# KiCad board slime88.kicad_pcb (continued)
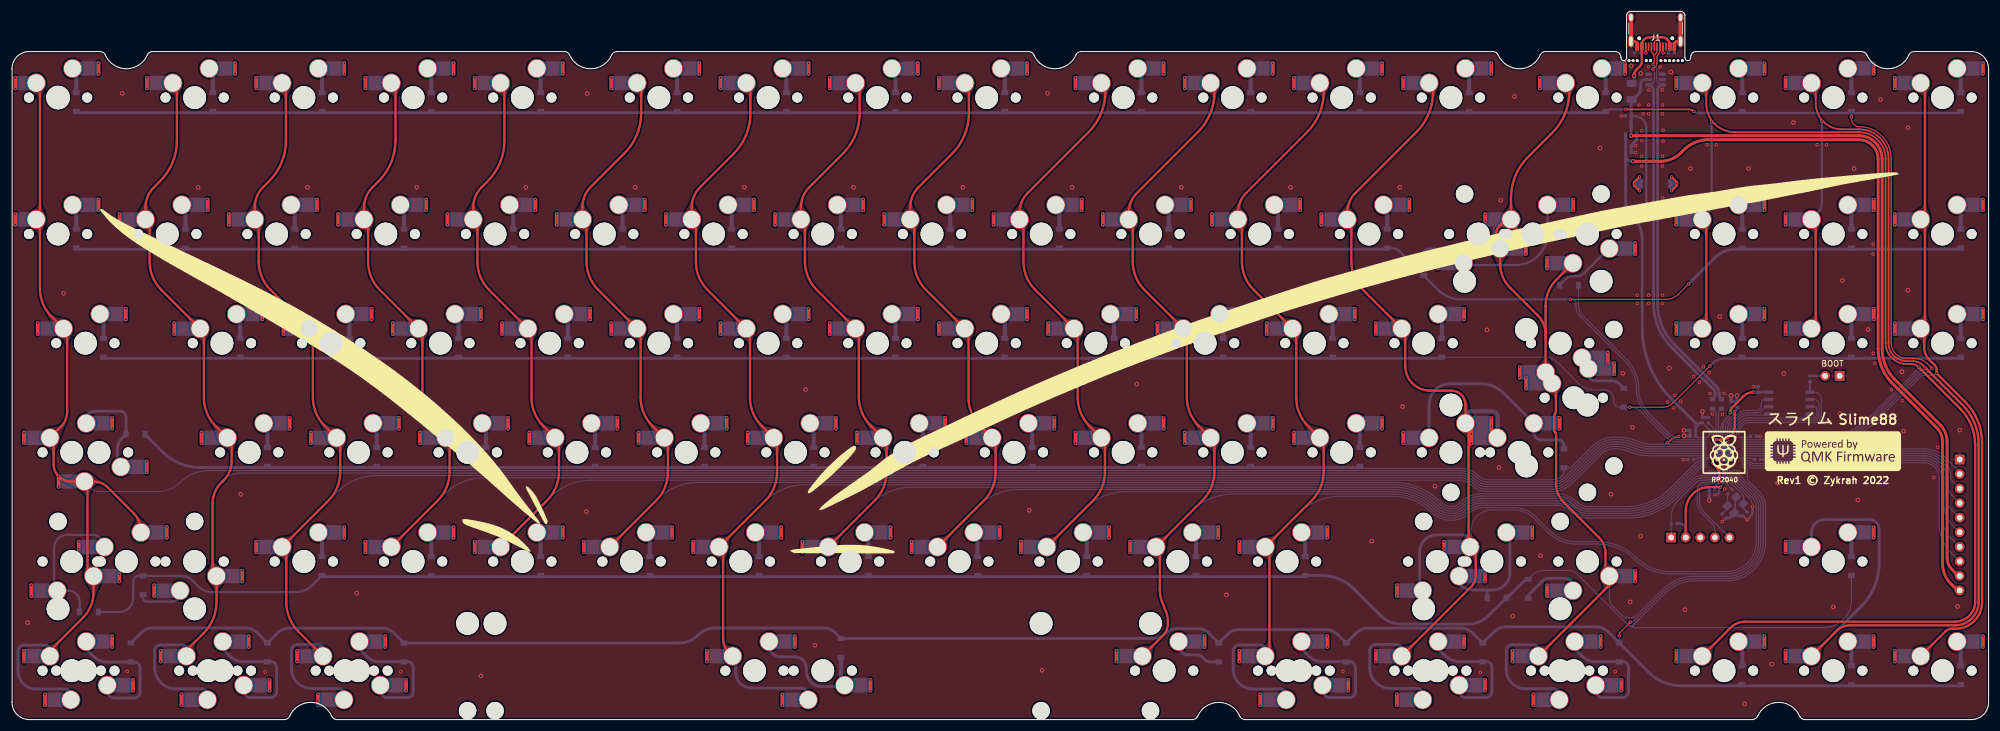
[diagram p0: board, top side]
## Routing (per net, layer and track width the routed paths; a pad name or vN(x,y) marks a point on that pad's centre or on a via; arc(x,y) is an arc through that point) (continued)
Net-(D88-Pad2): length 28.1
  Top w0.6: v1(280.67,5.05) v1(280.67,6.93) ; v1(277.02,14.55) v1(277.02,12.66)
  Bottom w0.5: 272.5,13.67 272.5,12.34 273.77,11.07 arc(274.83,10.36) 276.09,10.11 280.88,10.11 arc(281.59,9.82) 281.88,9.11 281.88,4.83 arc(281.59,4.12) 280.88,3.83 277.34,3.83 arc(276.95,3.91) 276.63,4.12 276.15,4.6 276.15,6.05
Net-(D89-Pad2): length 6.4
  Top w0.6: v1(305.6,14.55) v1(305.6,12.66)
  Bottom w0.7: 301.08,13.54 301.71,12.91 301.71,9.32
Net-(D90-Pad2): length 6.4
  Top w0.6: v1(324.65,14.55) v1(324.65,12.66)
  Bottom w0.7: 320.13,13.54 320.76,12.91 320.76,9.32
Net-(D91-Pad2): length 6.4
  Top w0.6: v1(343.69,14.55) v1(343.69,12.66)
  Bottom w0.7: 339.81,9.32 339.81,12.91 339.18,13.54

## Copper pours and planes (outline as drawn; the poured copper is in the pictures)
+1V1 on Bottom: 297.25,49.27 297.26,48.06 296.75,48.06 296.75,45.2 296.43,45.2 296.44,49.27
+3V3 on Top: 291.65,33.46 291.65,33.26 291.62,33.1 291.58,32.96 291.53,32.85 291.47,32.74 291.41,32.64 291.33,32.54 291.25,32.42 291.17,32.29 291.09,32.14 291.85,31.34 292.62,32.14 292.54,32.29 292.46,32.42 292.38,32.54 292.3,32.64 292.24,32.74 292.18,32.85 292.13,32.96 292.09,33.1 292.06,33.26 292.05,33.46
+3V3 on Top: 338.09,23.34 338.24,23.18 338.36,23.04 338.45,22.91 338.52,22.78 338.58,22.67 338.63,22.55 338.69,22.43 338.76,22.3 338.84,22.16 338.95,22.01 340.01,22.33 339.65,23.37 339.5,23.37 339.24,23.36 339.12,23.36 339.01,23.37 338.91,23.39 338.8,23.43 338.69,23.49 338.57,23.57 338.45,23.69
+3V3 on Bottom: 296.56,50.77 296.57,49.27 297.66,49.27 297.75,49.31 297.81,49.39 297.85,49.71 297.91,50.7 298.1,51.52 298.61,52.15 298.41,51.25 298.44,49.69 298.6,49.45 298.71,49.41 301.33,49.41 301.38,49.36 301.6,49.31 301.6,49.14 301.37,48.98 301.33,48.84 301.33,46.03 301.36,45.9 301.61,45.72 301.61,45.53 301.36,45.36 301.33,45.22 301.33,43.84 298.74,43.84 298.61,43.81 298.44,43.57 298.25,43.57 298.06,43.81 297.94,43.84 295.75,43.84 295.75,45.24 295.72,45.37 295.47,45.53 295.47,45.72 295.72,45.88 295.75,46.02 295.74,49.09 293.31,49.09 293.31,52.06 295.31,52.06
+3V3 on Bottom: 291.47,33.66 291.59,33.5 291.66,33.35 291.68,33.2 291.66,33.06 291.6,32.93 291.53,32.79 291.43,32.65 291.33,32.51 291.22,32.36 291.12,32.19 291.82,31.35 292.49,32.33 292.36,32.5 292.28,32.65 292.22,32.8 292.19,32.95 292.16,33.1 292.13,33.25 292.09,33.4 292.02,33.56 291.92,33.74 291.77,33.93
+5V on Top: 338.14,25.97 338.28,25.81 338.4,25.68 338.48,25.55 338.55,25.43 338.6,25.31 338.64,25.19 338.69,25.07 338.74,24.94 338.81,24.8 338.89,24.64 339.98,24.82 339.75,25.9 339.59,25.92 339.45,25.93 339.32,25.94 339.2,25.95 339.09,25.97 338.98,26 338.87,26.04 338.75,26.11 338.63,26.2 338.49,26.32
+5V on Bottom: 283.24,109.09 283.15,109.01 283.06,108.94 282.99,108.89 282.91,108.86 282.84,108.83 282.76,108.82 282.68,108.81 282.59,108.81 282.39,108.8 282.14,108.03 282.92,107.81 283,107.92 283.06,108.02 283.11,108.1 283.21,108.27 283.26,108.35 283.32,108.43 283.39,108.52 283.48,108.63 283.59,108.74
+5V on Bottom: 282.59,106.93 282.59,107.07 282.6,107.18 282.62,107.28 282.65,107.36 282.68,107.44 282.72,107.51 282.76,107.58 282.87,107.74 282.94,107.84 282.45,108.49 281.82,107.98 281.86,107.86 281.9,107.76 281.98,107.58 282.01,107.5 282.03,107.41 282.06,107.32 282.07,107.21 282.08,107.08 282.09,106.93
GND on Top: 292.19,118.06 346.16,118.06 346.16,-1 -1.5,-1 -1.5,118.06 281.07,118.06 281.07,123.62 292.19,123.62
GND on Bottom: 292.19,118.06 346.16,118.06 346.16,-1 -1.5,-1 -1.5,118.06 281.07,118.06 281.07,123.62 292.19,123.62 ; 5 cut-outs
GND on Bottom: 300.62,37.66 300.63,37.78 300.65,37.89 300.68,37.97 300.71,38.04 300.76,38.11 300.81,38.16 300.87,38.22 300.94,38.28 301.02,38.35 301.09,38.42 300.75,39.12 300.07,38.76 300.09,38.62 300.12,38.51 300.15,38.41 300.19,38.32 300.22,38.24 300.25,38.15 300.28,38.06 300.3,37.95 300.32,37.82 300.32,37.66
GND on Bottom: 300.32,37.26 300.32,37.13 300.3,37.03 300.27,36.95 300.24,36.87 300.19,36.81 300.14,36.75 300.08,36.69 300.01,36.63 299.94,36.56 299.86,36.48 300.22,35.79 300.9,36.18 300.87,36.31 300.84,36.42 300.8,36.52 300.73,36.69 300.7,36.78 300.67,36.87 300.65,36.98 300.63,37.11 300.62,37.26
GND on Bottom: 299.34,34.95 299.5,34.99 299.64,35.04 299.74,35.1 299.83,35.16 299.92,35.23 300,35.29 300.08,35.36 300.17,35.41 300.28,35.46 300.41,35.49 300.49,36.32 299.72,36.19 299.7,36.08 299.69,35.98 299.67,35.88 299.65,35.79 299.63,35.71 299.59,35.63 299.54,35.57 299.47,35.51 299.37,35.47 299.26,35.44
GND on Bottom: 301.33,35.77 301.23,35.78 301.15,35.8 301.09,35.84 301.04,35.89 301,35.95 300.97,36.02 300.94,36.1 300.91,36.17 300.88,36.26 300.85,36.34 300.07,36.27 300.31,35.48 300.43,35.48 300.53,35.46 300.62,35.44 300.7,35.41 300.87,35.34 300.96,35.32 301.06,35.29 301.18,35.28 301.33,35.27
VBUS on Bottom: 282.62,112.04 282.62,111.96 282.6,111.88 282.58,111.82 282.55,111.76 282.51,111.72 282.46,111.68 282.41,111.65 282.35,111.62 282.28,111.59 282.21,111.57 282.19,110.76 283.04,110.98 283.04,111.1 283.05,111.21 283.06,111.3 283.07,111.39 283.09,111.57 283.1,111.66 283.11,111.77 283.12,111.9 283.12,112.04
(no net) on Bottom: 289.58,92.47 289.51,92.56 289.48,92.63 289.49,92.71 289.53,92.78 289.59,92.84 289.66,92.91 289.73,92.98 289.81,93.06 289.88,93.14 289.94,93.23 289.4,93.79 288.97,93.07 289.04,92.98 289.07,92.89 289.09,92.8 289.08,92.71 289.07,92.62 289.07,92.52 289.07,92.42 289.09,92.32 289.14,92.22 289.22,92.12
(no net) on Bottom: 289.15,94.68 289.14,94.55 289.13,94.43 289.12,94.34 289.09,94.25 289.07,94.17 289.03,94.1 289,94.02 288.91,93.86 288.86,93.75 289.4,93.19 289.94,93.75 289.88,93.86 289.79,94.02 289.76,94.1 289.72,94.17 289.7,94.25 289.67,94.34 289.66,94.43 289.65,94.55 289.65,94.68
(no net) on Bottom: 283.55,94.68 283.54,94.55 283.53,94.43 283.52,94.34 283.49,94.25 283.47,94.17 283.43,94.1 283.4,94.02 283.31,93.86 283.25,93.75 283.8,93.19 284.34,93.75 284.28,93.86 284.19,94.02 284.16,94.1 284.12,94.17 284.1,94.25 284.07,94.34 284.06,94.43 284.05,94.55 284.05,94.68
(no net) on Bottom: 284.05,92.3 284.05,92.44 284.06,92.55 284.07,92.65 284.1,92.73 284.12,92.81 284.16,92.89 284.19,92.96 284.28,93.13 284.34,93.23 283.8,93.79 283.25,93.23 283.31,93.13 283.4,92.96 283.43,92.89 283.47,92.81 283.49,92.73 283.52,92.65 283.53,92.55 283.54,92.44 283.55,92.3
/XTAL_O on Bottom: 299.01,38.47 299,38.33 298.98,38.22 298.95,38.12 298.91,38.04 298.86,37.97 298.81,37.9 298.75,37.83 298.69,37.75 298.63,37.66 298.57,37.54 299.11,36.98 299.65,37.54 299.59,37.66 299.52,37.75 299.46,37.83 299.41,37.9 299.35,37.97 299.3,38.04 299.26,38.12 299.23,38.22 299.21,38.33 299.21,38.47
/XTAL_O on Bottom: 298.67,36.19 298.78,36.29 298.87,36.38 298.96,36.44 299.04,36.49 299.19,36.59 299.27,36.64 299.35,36.7 299.43,36.77 299.53,36.86 299.15,37.58 298.53,37.1 298.57,37.01 298.63,36.84 298.65,36.77 298.67,36.7 298.68,36.63 298.67,36.56 298.64,36.48 298.6,36.41 298.53,36.33
/~{USB_BOOT} on Bottom: 314.46,59.77 314.66,59.76 314.82,59.74 314.96,59.7 315.08,59.65 315.18,59.59 315.28,59.52 315.39,59.45 315.5,59.37 315.63,59.29 315.78,59.2 316.58,59.97 315.78,60.73 315.63,60.65 315.5,60.57 315.39,60.49 315.28,60.42 315.18,60.35 315.08,60.29 314.96,60.24 314.82,60.2 314.66,60.18 314.46,60.17
COL0 on Top: 5.73,71.47 6.02,70.98 6.26,70.56 6.46,70.19 6.62,69.87 6.75,69.56 6.87,69.25 6.99,68.92 7.12,68.57 7.25,68.15 7.42,67.67 9.56,67.63 9.52,69.77 9.05,69.92 8.63,70.03 8.24,70.12 7.89,70.21 7.56,70.31 7.25,70.44 6.95,70.63 6.66,70.89 6.37,71.23 6.07,71.67
COL0 on Top: 7.45,46 7.47,46.43 7.52,46.79 7.61,47.1 7.71,47.37 7.82,47.61 7.93,47.85 8.04,48.1 8.14,48.38 8.21,48.7 8.24,49.09 6.27,49.92 5.51,47.92 5.76,47.73 5.99,47.56 6.21,47.42 6.41,47.29 6.59,47.15 6.74,47 6.87,46.82 6.96,46.6 7.02,46.33 7.05,46
COL0 on Top: 4.67,90.44 4.64,90.1 4.58,89.83 4.49,89.61 4.36,89.43 4.21,89.28 4.03,89.14 3.83,89.01 3.61,88.87 3.38,88.7 3.13,88.51 3.89,86.51 5.86,87.34 5.82,87.73 5.75,88.05 5.66,88.33 5.55,88.58 5.44,88.82 5.33,89.06 5.22,89.33 5.14,89.64 5.09,90 5.07,90.44
COL0 on Top: 15.96,41.3 15.59,41.51 15.29,41.69 15.04,41.86 14.82,42.03 14.63,42.18 14.43,42.33 14.23,42.49 14,42.65 13.73,42.82 13.4,43 11.8,41.56 13.33,40.05 13.62,40.21 13.87,40.39 14.1,40.57 14.31,40.75 14.51,40.91 14.72,41.04 14.94,41.12 15.18,41.14 15.45,41.08 15.77,40.95
COL0 on Top: 9.21,52.55 9.02,52.09 8.8,51.75 8.55,51.5 8.28,51.32 7.98,51.19 7.65,51.1 7.3,51.03 6.91,50.95 6.5,50.86 6.05,50.72 6.01,48.58 8.15,48.62 8.32,49.09 8.47,49.49 8.6,49.83 8.72,50.14 8.96,50.74 9.09,51.07 9.24,51.45 9.4,51.89 9.59,52.41
COL0 on Top: 9.82,65.04 9.84,65.47 9.89,65.84 9.98,66.14 10.08,66.41 10.19,66.65 10.31,66.89 10.42,67.14 10.51,67.41 10.58,67.74 10.62,68.12 8.66,68.98 7.88,66.98 8.13,66.78 8.36,66.62 8.58,66.47 8.78,66.34 8.96,66.2 9.11,66.05 9.24,65.86 9.33,65.64 9.39,65.37 9.42,65.04
COL0 on Top: 14.2,20.56 14.34,21.09 14.48,21.54 14.6,21.93 14.73,22.26 14.85,22.56 14.98,22.86 15.13,23.16 15.29,23.49 15.48,23.87 15.7,24.32 14.22,25.86 12.73,24.32 12.95,23.89 13.17,23.53 13.38,23.2 13.57,22.9 13.73,22.61 13.85,22.3 13.93,21.97 13.96,21.6 13.92,21.17 13.81,20.66
COL0 on Top: 5.07,107.91 5.09,108.34 5.14,108.71 5.22,109.01 5.33,109.28 5.44,109.52 5.55,109.76 5.66,110.01 5.75,110.29 5.82,110.61 5.86,111 3.89,111.84 3.13,109.83 3.38,109.64 3.61,109.48 3.83,109.33 4.03,109.2 4.21,109.06 4.36,108.91 4.49,108.73 4.58,108.51 4.64,108.24 4.67,107.91
COL0 on Top: 12.96,27.96 12.94,27.55 12.91,27.21 12.87,26.92 12.82,26.67 12.76,26.43 12.7,26.2 12.65,25.96 12.61,25.7 12.58,25.39 12.57,25.03 14.74,24.4 14.9,26.54 14.65,26.64 14.19,26.82 13.99,26.9 13.81,27 13.65,27.12 13.53,27.26 13.43,27.44 13.38,27.67 13.36,27.96
COL0 on Top: 8.23,13.92 7.91,13.62 7.61,13.4 7.33,13.24 7.07,13.13 6.82,13.03 6.57,12.94 6.32,12.84 6.06,12.71 5.78,12.53 5.48,12.28 6.29,10.3 8.24,11.19 8.21,11.5 8.15,11.78 8.1,12.03 8.05,12.27 8.02,12.49 8.02,12.71 8.06,12.93 8.14,13.15 8.29,13.38 8.51,13.63
COL0 on Top: 5.07,84.09 5.09,84.53 5.14,84.89 5.22,85.2 5.33,85.47 5.44,85.71 5.55,85.95 5.66,86.2 5.75,86.48 5.82,86.8 5.86,87.19 3.89,88.02 3.13,86.02 3.38,85.83 3.61,85.66 3.83,85.52 4.03,85.39 4.21,85.25 4.36,85.1 4.49,84.92 4.58,84.7 4.64,84.43 4.67,84.09
COL0 on Top: 21.31,35.6 21.51,35.32 21.61,35.08 21.64,34.84 21.61,34.62 21.53,34.41 21.41,34.18 21.28,33.95 21.14,33.71 21,33.44 20.89,33.13 22.6,31.84 23.73,33.72 23.49,34 23.27,34.22 23.08,34.41 22.89,34.58 22.72,34.74 22.53,34.9 22.34,35.08 22.13,35.29 21.89,35.54 21.62,35.86
COL0 on Top: 8.57,41.82 9,41.56 9.36,41.36 9.68,41.2 9.97,41.06 10.23,40.94 10.5,40.82 10.77,40.69 11.06,40.54 11.39,40.36 11.77,40.14 13.45,41.55 11.91,43.03 11.54,42.83 11.22,42.62 10.92,42.4 10.65,42.21 10.38,42.04 10.11,41.92 9.82,41.85 9.51,41.86 9.17,41.96 8.78,42.16
COL0 on Top: 13.36,38.33 13.38,38.76 13.43,39.11 13.52,39.41 13.62,39.67 13.74,39.9 13.87,40.13 13.99,40.37 14.1,40.64 14.2,40.96 14.27,41.34 12.37,42.33 11.45,40.39 11.68,40.17 11.91,39.99 12.32,39.68 12.5,39.54 12.65,39.37 12.78,39.18 12.87,38.96 12.93,38.67 12.96,38.33
COL0 on Bottom: 8.19,5.07 8.38,5.05 8.52,4.99 8.62,4.89 8.68,4.77 8.71,4.62 8.72,4.45 8.7,4.27 8.68,4.08 8.62,3.7 10.49,2.66 10.25,5.09 9.99,5.11 9.78,5.14 9.59,5.2 9.42,5.26 9.27,5.33 9.1,5.4 8.92,5.47 8.72,5.52 8.48,5.56 8.19,5.57
COL0 on Bottom: 4.79,12.74 4.95,12.72 5.06,12.67 5.14,12.58 5.18,12.47 5.19,12.34 5.18,12.2 5.16,12.04 5.12,11.88 5.07,11.72 5.02,11.57 6.71,10.25 6.6,12.72 6.37,12.73 6.18,12.77 6.02,12.83 5.87,12.9 5.73,12.98 5.59,13.06 5.44,13.13 5.26,13.19 5.05,13.23 4.79,13.24
COL0 on Bottom: 15.3,39.88 14.97,39.91 14.74,40.01 14.58,40.16 14.48,40.36 14.41,40.6 14.38,40.87 14.35,41.16 14.32,41.47 14.27,41.79 14.18,42.11 12.04,42.12 12.63,39.9 12.96,39.89 13.24,39.87 13.48,39.85 13.7,39.82 13.91,39.79 14.12,39.75 14.36,39.72 14.62,39.7 14.93,39.68 15.3,39.68
COL1 on Top: 35.85,21.75 35.87,22.14 35.93,22.45 36.02,22.72 36.14,22.94 36.28,23.14 36.44,23.33 36.61,23.53 36.79,23.75 36.96,24 37.13,24.32 35.65,25.86 34.16,24.32 34.33,24 34.51,23.75 34.68,23.53 34.85,23.33 35.01,23.14 35.16,22.94 35.27,22.72 35.37,22.45 35.43,22.14 35.45,21.75
COL1 on Top: 31.99,13.93 31.66,13.63 31.36,13.41 31.08,13.25 30.82,13.13 30.57,13.03 30.32,12.94 30.07,12.83 29.81,12.69 29.54,12.5 29.25,12.24 30.13,10.29 32.05,11.25 32,11.55 31.94,11.82 31.88,12.07 31.83,12.31 31.79,12.53 31.79,12.74 31.82,12.95 31.91,13.17 32.05,13.4 32.27,13.65
COL1 on Top: 34.78,28.2 34.75,27.76 34.7,27.4 34.62,27.09 34.51,26.82 34.4,26.57 34.29,26.33 34.19,26.08 34.1,25.8 34.03,25.48 34,25.09 35.98,24.28 36.71,26.3 36.47,26.49 36.23,26.64 36.02,26.78 35.81,26.91 35.63,27.05 35.48,27.2 35.35,27.38 35.26,27.6 35.2,27.87 35.17,28.2
COL1 on Top: 24.2,84.14 24.22,84.57 24.27,84.94 24.35,85.25 24.45,85.52 24.55,85.77 24.66,86.01 24.76,86.26 24.84,86.55 24.89,86.87 24.92,87.27 22.9,88 22.25,85.96 22.5,85.79 22.73,85.64 22.95,85.51 23.16,85.38 23.34,85.25 23.49,85.11 23.62,84.93 23.71,84.72 23.77,84.46 23.8,84.14
COL1 on Top: 33.66,65.05 33.68,65.49 33.73,65.85 33.81,66.16 33.92,66.43 34.03,66.67 34.14,66.91 34.25,67.16 34.34,67.44 34.4,67.77 34.44,68.15 32.46,68.97 31.72,66.96 31.96,66.77 32.2,66.61 32.42,66.47 32.62,66.34 32.8,66.2 32.95,66.05 33.08,65.87 33.17,65.65 33.23,65.38 33.26,65.05
COL1 on Top: 28.95,107.94 28.97,108.38 29.02,108.75 29.1,109.06 29.2,109.33 29.31,109.58 29.42,109.82 29.52,110.07 29.6,110.36 29.66,110.68 29.68,111.07 27.67,111.82 27,109.78 27.25,109.6 27.48,109.45 27.7,109.32 27.91,109.2 28.09,109.06 28.24,108.92 28.37,108.74 28.46,108.53 28.52,108.27 28.55,107.94
COL1 on Top: 30.32,70.4 30.58,70.11 30.77,69.84 30.89,69.59 30.96,69.35 31,69.11 31.02,68.86 31.04,68.6 31.07,68.32 31.13,68.01 31.23,67.67 33.37,67.63 33.33,69.77 32.99,69.87 32.68,69.93 32.4,69.96 32.14,69.98 31.9,70 31.66,70.04 31.41,70.12 31.16,70.24 30.9,70.42 30.61,70.68
COL1 on Top: 23.35,91.02 23.19,90.58 23.03,90.22 22.89,89.91 22.75,89.65 22.6,89.41 22.3,88.94 22.14,88.67 21.97,88.36 21.78,87.98 23.27,86.44 24.75,87.98 24.56,88.33 24.37,88.62 24.17,88.88 23.99,89.12 23.83,89.35 23.7,89.59 23.61,89.85 23.58,90.15 23.62,90.49 23.72,90.89
COL1 on Top: 34.32,52.4 34.61,51.91 34.85,51.5 35.04,51.13 35.2,50.81 35.33,50.5 35.45,50.19 35.57,49.87 35.69,49.51 35.83,49.1 35.99,48.62 38.14,48.58 38.09,50.72 37.63,50.87 37.2,50.98 36.82,51.07 36.47,51.15 36.14,51.25 35.84,51.39 35.54,51.57 35.25,51.83 34.96,52.17 34.66,52.61
COL1 on Top: 38.51,46.04 38.52,46.48 38.58,46.85 38.66,47.15 38.75,47.42 38.85,47.67 38.96,47.91 39.05,48.17 39.13,48.45 39.18,48.78 39.2,49.17 37.18,49.9 36.56,47.85 36.81,47.68 37.04,47.53 37.26,47.4 37.47,47.28 37.65,47.15 37.8,47.01 37.93,46.84 38.02,46.63 38.08,46.36 38.11,46.04
COL1 on Bottom: 28.68,12.78 28.83,12.76 28.94,12.71 29.01,12.62 29.04,12.52 29.05,12.39 29.04,12.24 29.01,12.09 28.96,11.93 28.91,11.78 28.86,11.63 30.49,10.24 30.41,12.72 30.19,12.73 30.01,12.77 29.85,12.84 29.71,12.91 29.58,13 29.45,13.08 29.3,13.16 29.13,13.22 28.92,13.27 28.68,13.28
COL1 on Bottom: 32.2,5.11 32.36,5.09 32.48,5.04 32.56,4.95 32.61,4.84 32.62,4.7 32.62,4.55 32.6,4.39 32.56,4.22 32.52,4.05 32.47,3.89 34.21,2.63 34.06,5.09 33.83,5.11 33.63,5.15 33.46,5.21 33.31,5.28 33.17,5.35 33.02,5.43 32.86,5.5 32.68,5.56 32.46,5.6 32.2,5.61
COL1 on Bottom: 34.88,28.2 34.85,27.76 34.79,27.39 34.69,27.09 34.58,26.82 34.45,26.58 34.33,26.34 34.21,26.09 34.11,25.81 34.03,25.48 34,25.09 35.98,24.28 36.71,26.3 36.46,26.49 36.21,26.65 35.98,26.79 35.77,26.92 35.57,27.05 35.4,27.19 35.27,27.37 35.16,27.59 35.1,27.86 35.08,28.2
COL2 on Top: 49.26,32.58 48.97,32.32 48.7,32.14 48.45,32.02 48.21,31.94 47.97,31.9 47.72,31.88 47.46,31.86 47.18,31.83 46.88,31.77 46.54,31.67 46.49,29.53 48.64,29.57 48.74,29.91 48.79,30.22 48.82,30.5 48.84,30.76 48.87,31.01 48.91,31.25 48.98,31.49 49.1,31.74 49.28,32.01 49.55,32.3
COL2 on Top: 42.4,91.05 42.23,90.61 42.08,90.24 41.94,89.93 41.8,89.66 41.65,89.42 41.51,89.19 41.36,88.94 41.19,88.67 41.02,88.36 40.83,87.98 42.31,86.44 43.8,87.98 43.61,88.33 43.41,88.62 43.22,88.89 43.03,89.13 42.87,89.37 42.74,89.61 42.66,89.87 42.63,90.17 42.66,90.52 42.77,90.92
COL2 on Top: 57.42,45.98 57.45,46.42 57.5,46.78 57.59,47.08 57.69,47.35 57.8,47.59 57.92,47.83 58.03,48.07 58.13,48.35 58.2,48.67 58.25,49.06 56.29,49.93 55.5,47.94 55.74,47.74 55.97,47.57 56.19,47.43 56.39,47.29 56.57,47.15 56.72,47 56.85,46.81 56.94,46.59 57,46.32 57.03,45.98
COL2 on Top: 47.95,107.92 47.98,108.36 48.03,108.72 48.11,109.03 48.21,109.3 48.33,109.54 48.44,109.78 48.54,110.04 48.63,110.32 48.7,110.64 48.73,111.03 46.74,111.83 46.02,109.81 46.26,109.62 46.5,109.47 46.72,109.33 46.92,109.2 47.1,109.06 47.25,108.91 47.38,108.74 47.47,108.52 47.53,108.25 47.56,107.92
COL2 on Top: 49.37,70.4 49.63,70.11 49.82,69.84 49.94,69.59 50.01,69.35 50.05,69.11 50.07,68.86 50.09,68.6 50.12,68.32 50.18,68.01 50.28,67.67 52.42,67.63 52.38,69.77 52.04,69.87 51.73,69.93 51.45,69.96 51.19,69.98 50.95,70 50.71,70.04 50.46,70.12 50.21,70.24 49.95,70.42 49.66,70.68
COL2 on Top: 43.2,84.12 43.23,84.55 43.28,84.92 43.36,85.23 43.46,85.5 43.57,85.74 43.69,85.98 43.79,86.24 43.87,86.52 43.94,86.84 43.96,87.23 41.97,88.01 41.27,85.99 41.51,85.81 41.75,85.65 41.96,85.51 42.17,85.38 42.35,85.25 42.5,85.1 42.63,84.93 42.72,84.71 42.78,84.44 42.81,84.12
COL2 on Top: 51.75,13.25 52.01,12.96 52.2,12.69 52.32,12.44 52.39,12.2 52.43,11.96 52.45,11.71 52.47,11.45 52.51,11.17 52.56,10.86 52.66,10.52 54.8,10.48 54.76,12.62 54.42,12.72 54.11,12.78 53.84,12.81 53.58,12.83 53.33,12.85 53.09,12.89 52.85,12.97 52.59,13.09 52.33,13.27 52.04,13.53
COL2 on Top: 48.02,26.99 48.03,27.43 48.09,27.79 48.17,28.1 48.27,28.37 48.37,28.62 48.48,28.86 48.57,29.12 48.65,29.4 48.71,29.73 48.73,30.12 46.71,30.85 46.07,28.81 46.32,28.63 46.55,28.49 46.77,28.36 46.98,28.23 47.16,28.1 47.31,27.96 47.44,27.79 47.53,27.57 47.59,27.31 47.62,26.99
COL2 on Top: 53.32,52.45 53.61,51.96 53.86,51.53 54.06,51.17 54.22,50.84 54.36,50.52 54.49,50.21 54.61,49.89 54.73,49.52 54.88,49.11 55.04,48.62 57.19,48.58 57.14,50.72 56.67,50.87 56.24,50.98 55.85,51.08 55.5,51.17 55.16,51.27 54.85,51.41 54.55,51.6 54.26,51.86 53.96,52.21 53.66,52.66
COL2 on Top: 52.66,65.03 52.68,65.46 52.73,65.82 52.82,66.13 52.92,66.39 53.03,66.63 53.15,66.87 53.26,67.12 53.36,67.39 53.44,67.72 53.49,68.1 51.53,68.98 50.73,67 50.97,66.79 51.2,66.63 51.42,66.48 51.62,66.34 51.8,66.2 51.95,66.05 52.08,65.86 52.17,65.64 52.23,65.37 52.26,65.03
COL2 on Bottom: 49.33,32.51 49.04,32.25 48.76,32.07 48.51,31.96 48.26,31.89 48.01,31.87 47.76,31.86 47.49,31.85 47.2,31.83 46.89,31.77 46.54,31.67 46.49,29.53 48.64,29.57 48.74,29.92 48.79,30.24 48.81,30.53 48.82,30.79 48.83,31.05 48.86,31.29 48.92,31.54 49.03,31.8 49.21,32.07 49.47,32.37
COL2 on Bottom: 52.57,12.82 52.71,12.8 52.82,12.75 52.88,12.67 52.91,12.56 52.92,12.43 52.89,12.29 52.86,12.14 52.81,11.98 52.75,11.83 52.69,11.69 54.28,10.24 54.22,12.71 54.01,12.73 53.84,12.78 53.69,12.85 53.56,12.93 53.43,13.02 53.31,13.11 53.17,13.19 53,13.26 52.81,13.31 52.57,13.32
COL2 on Bottom: 56.08,5.15 56.24,5.13 56.35,5.08 56.43,4.99 56.47,4.88 56.48,4.74 56.47,4.59 56.44,4.43 56.4,4.27 56.35,4.1 56.3,3.95 57.99,2.63 57.87,5.09 57.65,5.11 57.46,5.15 57.3,5.22 57.15,5.29 57.02,5.37 56.88,5.46 56.72,5.53 56.54,5.59 56.33,5.64 56.08,5.65
COL3 on Top: 68.31,32.58 68.02,32.32 67.75,32.14 67.5,32.02 67.26,31.94 67.02,31.9 66.77,31.88 66.51,31.86 66.23,31.83 65.93,31.77 65.59,31.67 65.54,29.53 67.69,29.57 67.79,29.91 67.84,30.22 67.87,30.5 67.89,30.76 67.92,31.01 67.96,31.25 68.03,31.49 68.15,31.74 68.33,32.01 68.6,32.3
COL3 on Top: 71.77,65.05 71.79,65.49 71.84,65.85 71.92,66.16 72.02,66.43 72.14,66.67 72.25,66.92 72.35,67.17 72.44,67.45 72.51,67.77 72.54,68.16 70.55,68.97 69.83,66.95 70.07,66.76 70.3,66.6 70.52,66.47 70.73,66.33 70.91,66.2 71.06,66.05 71.19,65.87 71.28,65.65 71.34,65.38 71.37,65.05
COL3 on Top: 62.28,84.12 62.31,84.57 62.36,84.93 62.44,85.24 62.54,85.51 62.65,85.76 62.76,86.01 62.86,86.26 62.94,86.54 62.99,86.87 63.01,87.26 61.01,88.01 60.34,85.97 60.59,85.79 60.82,85.64 61.04,85.51 61.25,85.38 61.43,85.25 61.58,85.1 61.71,84.93 61.8,84.72 61.86,84.45 61.89,84.12
COL3 on Top: 61.45,91 61.29,90.56 61.13,90.2 60.99,89.9 60.85,89.64 60.7,89.4 60.4,88.93 60.24,88.66 60.07,88.35 59.88,87.98 61.37,86.44 62.85,87.98 62.66,88.32 62.47,88.61 62.27,88.87 62.09,89.11 61.93,89.34 61.8,89.58 61.71,89.84 61.68,90.13 61.72,90.47 61.82,90.87
COL3 on Top: 68.42,70.4 68.68,70.11 68.87,69.84 68.99,69.59 69.06,69.35 69.1,69.11 69.12,68.86 69.14,68.6 69.17,68.32 69.23,68.01 69.33,67.67 71.47,67.63 71.43,69.77 71.09,69.87 70.78,69.93 70.5,69.96 70.24,69.98 70,70 69.76,70.04 69.51,70.12 69.26,70.24 69,70.42 68.71,70.68
COL3 on Top: 72.43,52.39 72.72,51.9 72.95,51.49 73.15,51.13 73.31,50.8 73.44,50.5 73.56,50.19 73.67,49.87 73.79,49.51 73.93,49.1 74.09,48.62 76.24,48.58 76.19,50.72 75.73,50.87 75.31,50.98 74.93,51.06 74.58,51.15 74.25,51.25 73.94,51.38 73.65,51.57 73.36,51.82 73.07,52.16 72.77,52.6
COL3 on Top: 76.5,45.99 76.52,46.43 76.57,46.79 76.66,47.1 76.76,47.36 76.87,47.6 76.99,47.84 77.09,48.09 77.19,48.37 77.26,48.69 77.3,49.08 75.33,49.93 74.56,47.92 74.81,47.73 75.04,47.57 75.26,47.42 75.46,47.29 75.64,47.15 75.79,47 75.92,46.82 76.01,46.6 76.07,46.33 76.09,45.99
COL3 on Top: 67.06,107.95 67.08,108.39 67.14,108.75 67.22,109.06 67.32,109.33 67.42,109.58 67.53,109.82 67.62,110.08 67.7,110.36 67.76,110.69 67.78,111.08 65.76,111.82 65.12,109.77 65.37,109.6 65.6,109.45 65.82,109.32 66.03,109.19 66.21,109.07 66.36,108.92 66.49,108.75 66.58,108.54 66.64,108.27 66.67,107.95
COL3 on Bottom: 68.38,32.51 68.09,32.25 67.81,32.07 67.56,31.96 67.31,31.89 67.06,31.87 66.81,31.86 66.54,31.85 66.25,31.83 65.94,31.77 65.59,31.67 65.54,29.53 67.69,29.57 67.79,29.92 67.84,30.24 67.86,30.53 67.87,30.79 67.88,31.05 67.91,31.29 67.97,31.54 68.08,31.8 68.26,32.07 68.52,32.37
COL4 on Top: 86.06,107.92 86.08,108.36 86.13,108.72 86.21,109.03 86.31,109.3 86.43,109.54 86.54,109.78 86.64,110.04 86.73,110.32 86.8,110.64 86.83,111.03 84.84,111.83 84.12,109.81 84.36,109.62 84.6,109.47 84.82,109.33 85.02,109.2 85.2,109.06 85.35,108.91 85.48,108.74 85.57,108.52 85.63,108.25 85.66,107.92
COL4 on Top: 80.5,91.03 80.33,90.59 80.18,90.22 80.04,89.92 79.9,89.65 79.75,89.41 79.46,88.94 79.29,88.67 79.12,88.36 78.93,87.98 80.42,86.44 81.9,87.98 81.71,88.33 81.52,88.62 81.32,88.88 81.14,89.12 80.98,89.36 80.85,89.6 80.76,89.86 80.73,90.16 80.76,90.5 80.87,90.9
COL4 on Top: 91.45,52.42 91.74,51.93 91.98,51.51 92.18,51.15 92.34,50.82 92.48,50.51 92.6,50.2 92.72,49.88 92.84,49.52 92.98,49.11 93.14,48.62 95.29,48.58 95.24,50.72 94.77,50.87 94.35,50.98 93.96,51.07 93.61,51.16 93.28,51.26 92.97,51.4 92.68,51.58 92.38,51.84 92.09,52.18 91.79,52.63
COL4 on Top: 95.58,46 95.6,46.44 95.65,46.8 95.73,47.11 95.84,47.38 95.95,47.63 96.06,47.87 96.16,48.12 96.25,48.4 96.32,48.72 96.35,49.11 94.37,49.92 93.64,47.9 93.88,47.71 94.12,47.56 94.33,47.42 94.54,47.29 94.72,47.15 94.87,47 95,46.82 95.09,46.6 95.15,46.33 95.17,46
COL4 on Top: 87.47,70.4 87.73,70.11 87.92,69.84 88.04,69.59 88.11,69.35 88.15,69.11 88.17,68.86 88.19,68.6 88.22,68.32 88.28,68.01 88.38,67.67 90.52,67.63 90.48,69.77 90.14,69.87 89.83,69.93 89.55,69.96 89.29,69.98 89.05,70 88.81,70.04 88.56,70.12 88.31,70.24 88.05,70.42 87.76,70.68
COL4 on Top: 90.79,65.04 90.81,65.48 90.86,65.84 90.94,66.14 91.05,66.41 91.16,66.65 91.27,66.89 91.38,67.14 91.48,67.42 91.55,67.74 91.59,68.13 89.62,68.97 88.85,66.97 89.1,66.78 89.33,66.61 89.55,66.47 89.75,66.34 89.93,66.2 90.08,66.05 90.21,65.87 90.3,65.65 90.36,65.37 90.39,65.04
COL4 on Top: 81.36,84.14 81.37,84.57 81.43,84.94 81.51,85.25 81.6,85.52 81.71,85.77 81.82,86.01 81.91,86.27 81.99,86.55 82.05,86.88 82.06,87.27 80.05,88 79.41,85.96 79.66,85.78 79.89,85.63 80.11,85.5 80.32,85.38 80.5,85.25 80.65,85.11 80.78,84.93 80.87,84.72 80.93,84.46 80.95,84.14
COL4 on Top: 87.36,32.58 87.07,32.32 86.8,32.14 86.55,32.02 86.31,31.94 86.07,31.9 85.82,31.88 85.56,31.86 85.28,31.83 84.98,31.77 84.64,31.67 84.59,29.53 86.74,29.57 86.84,29.91 86.89,30.22 86.92,30.5 86.94,30.76 86.97,31.01 87.01,31.25 87.08,31.49 87.2,31.74 87.38,32.01 87.65,32.3
COL4 on Bottom: 87.43,32.51 87.14,32.25 86.86,32.07 86.61,31.96 86.36,31.89 86.11,31.87 85.86,31.86 85.59,31.85 85.3,31.83 84.99,31.77 84.64,31.67 84.59,29.53 86.74,29.57 86.84,29.92 86.89,30.24 86.91,30.53 86.92,30.79 86.93,31.05 86.96,31.29 87.02,31.54 87.13,31.8 87.31,32.07 87.57,32.37
COL5 on Top: 110.47,52.45 110.76,51.96 111.01,51.53 111.21,51.17 111.37,50.84 111.51,50.52 111.64,50.21 111.76,49.89 111.88,49.52 112.03,49.11 112.19,48.62 114.34,48.58 114.29,50.72 113.82,50.87 113.39,50.98 113,51.08 112.65,51.17 112.31,51.27 112,51.41 111.7,51.6 111.41,51.86 111.11,52.21 110.81,52.66
COL5 on Top: 106.52,70.4 106.78,70.11 106.97,69.84 107.09,69.59 107.16,69.35 107.2,69.11 107.22,68.86 107.24,68.6 107.27,68.32 107.33,68.01 107.43,67.67 109.57,67.63 109.53,69.77 109.19,69.87 108.88,69.93 108.6,69.96 108.34,69.98 108.1,70 107.86,70.04 107.61,70.12 107.36,70.24 107.1,70.42 106.81,70.68
